# KiCad board 4-ch-backplane.kicad_pcb (continued)
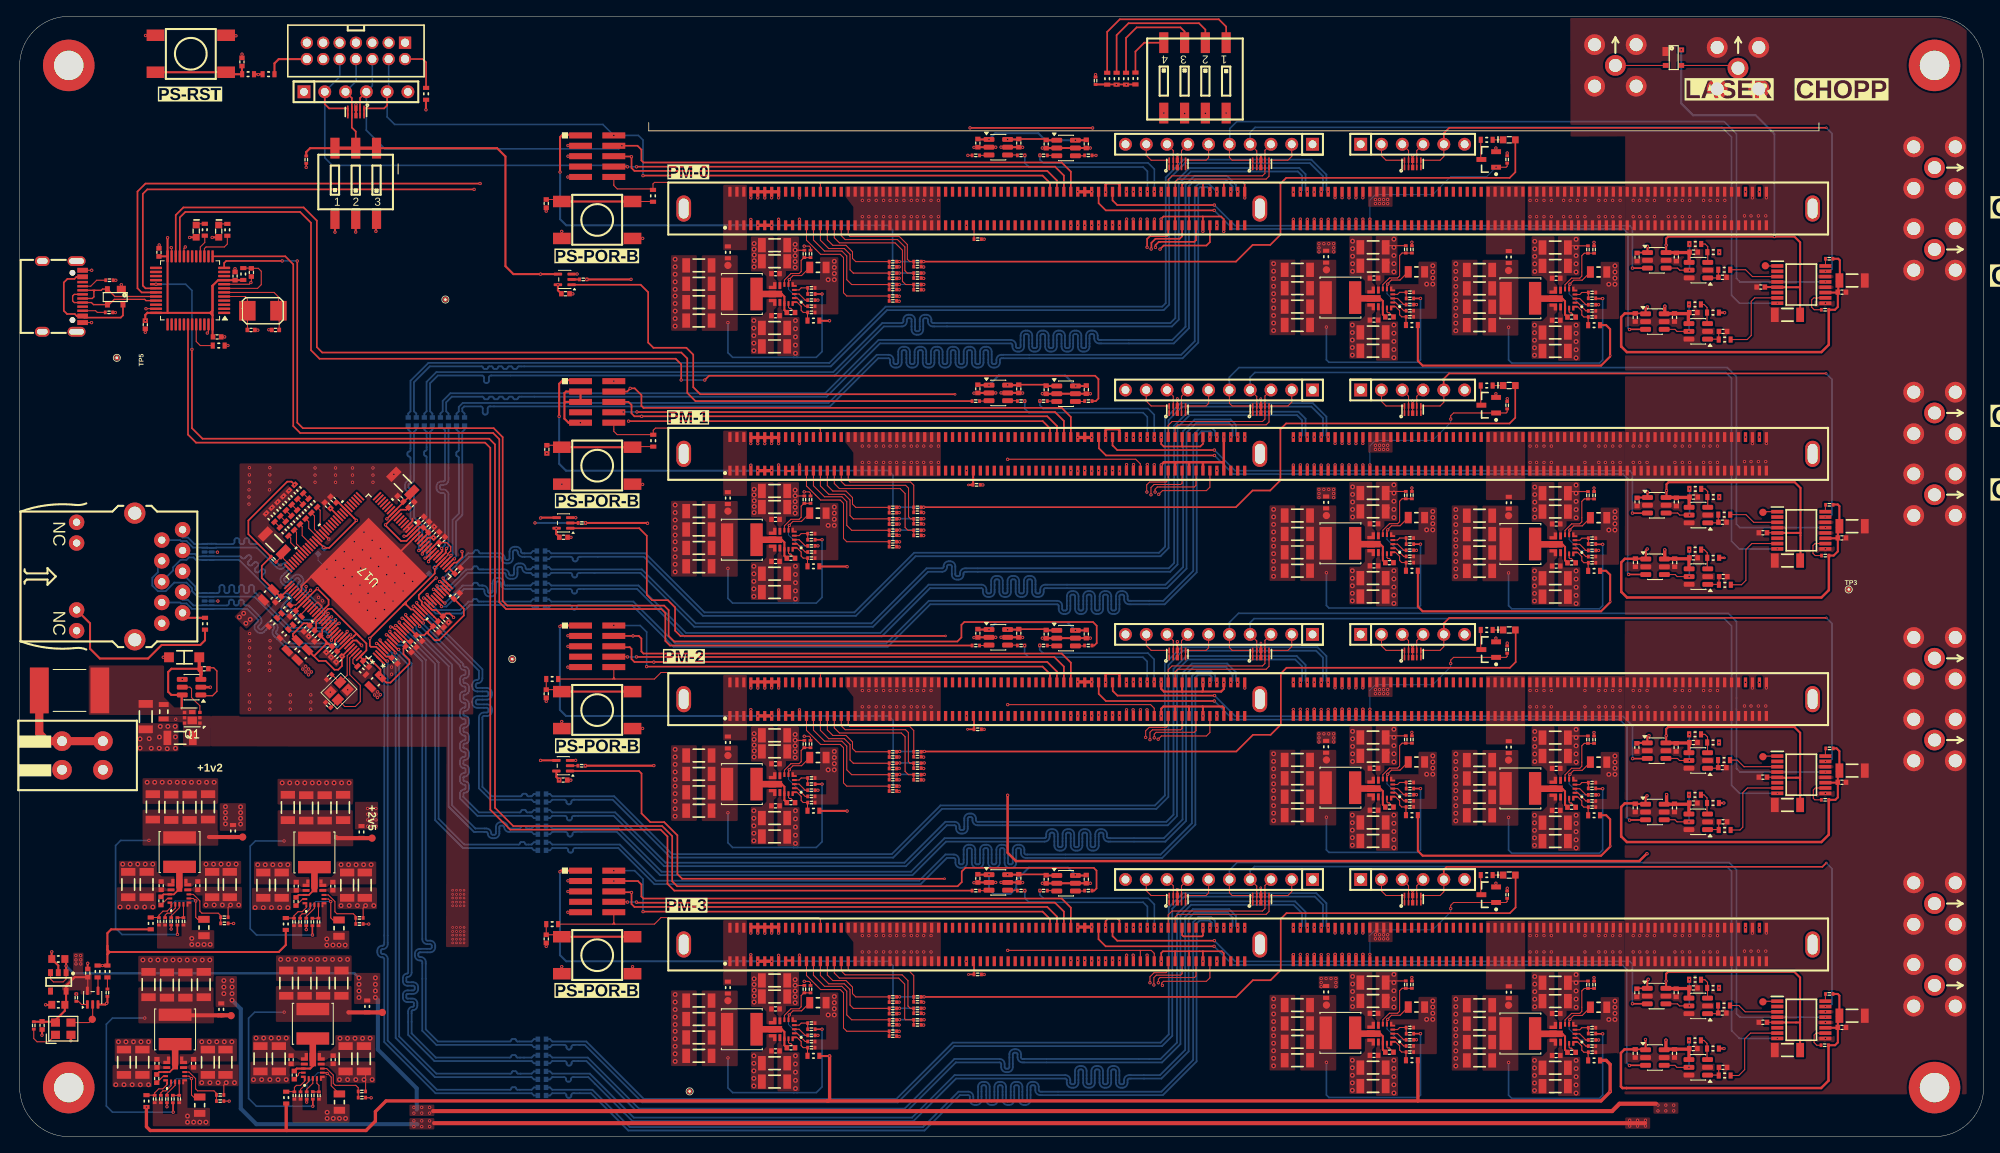
[diagram p0: board, top side]
## Routing (per net, layer and track width the routed paths; a pad name or vN(x,y) marks a point on that pad's centre or on a via; arc(x,y) is an arc through that point) (continued)
/TOP_LEVEL_IO/NET_SWITCH/E3_TD1_P: length 16.6
  Top Layer w0.22: v1(51.54,64.82) 51.54,64.95 50.75,65.74 U17.26
  Bottom Layer w0.22: v1(51.54,64.82) 52.15,64.82 54.3,66.97 56.6,66.97 arc(56.73,66.92) 56.79,66.79 56.79,66.67 arc(56.97,66.23) 57.4,66.06 57.6,66.06 arc(58.03,66.23) 58.21,66.67 58.21,67.71 arc(58.27,67.84) 58.4,67.89 58.6,67.89 arc(58.73,67.84) 58.79,67.71 58.79,67.59 arc(58.97,67.15) 59.4,66.97 62.45,66.97 62.73,66.69 C199.1
/TOP_LEVEL_IO/NET_SWITCH/E3_TD2_N: length 16.6
  Top Layer w0.22: v1(50.99,67.36) 50.99,67.23 51.6,66.63 U17.29 51.61,66.61
  Bottom Layer w0.22: C202.1 62.73,69.65 62.45,69.37 61.99,69.37 arc(61.88,69.41) 61.84,69.52 arc(61.67,69.93) 61.26,70.1 60.99,70.1 arc(60.58,69.93) 60.41,69.52 60.41,68.79 arc(60.37,68.68) 60.26,68.64 59.95,68.64 arc(59.84,68.68) 59.8,68.79 arc(59.63,69.2) 59.22,69.37 56.18,69.37 arc(56.05,69.42) 55.99,69.55 arc(55.94,69.68) 55.81,69.74 55.58,69.74 arc(55.45,69.68) 55.39,69.55 arc(55.34,69.42) 55.21,69.37 54.59,69.37 52.58,67.36 50.99,67.36 v1(50.99,67.36)
/TOP_LEVEL_IO/NET_SWITCH/E3_TD2_P: length 16.6
  Top Layer w0.22: 51.31,66.31 U17.28 51.3,66.33 50.69,66.93 v1(50.56,66.93)
  Bottom Layer w0.22: C201.1 62.73,68.66 62.45,68.94 61.99,68.94 arc(61.58,69.11) 61.41,69.52 arc(61.37,69.63) 61.26,69.67 60.99,69.67 arc(60.88,69.63) 60.84,69.52 60.84,68.79 arc(60.67,68.38) 60.26,68.21 59.95,68.21 arc(59.55,68.38) 59.38,68.79 arc(59.33,68.9) 59.22,68.94 54.77,68.94 52.76,66.93 v1(50.56,66.93)
/TOP_LEVEL_IO/NET_SWITCH/E3_TD3_N: length 16.6
  Top Layer w0.22: 52.46,67.46 U17.32 52.45,67.47 51.75,68.17 v1(51.75,68.3)
  Bottom Layer w0.22: C204.1 62.73,71.61 62.45,71.33 61.47,71.33 arc(61.34,71.39) 61.28,71.52 61.28,71.52 arc(61.11,71.96) 60.67,72.14 60.47,72.14 arc(60.04,71.96) 59.86,71.52 59.86,70.72 arc(59.81,70.59) 59.67,70.53 59.47,70.53 arc(59.34,70.59) 59.28,70.72 59.28,70.72 arc(59.11,71.15) 58.67,71.33 56.3,71.33 arc(56.17,71.39) 56.11,71.52 arc(56.06,71.65) 55.93,71.71 55.7,71.71 arc(55.57,71.65) 55.51,71.52 arc(55.46,71.39) 55.33,71.33 54.78,71.33 v1(51.75,68.3) 51.75,68.3 51.75,68.32
/TOP_LEVEL_IO/NET_SWITCH/E3_TD3_P: length 17.2
  Top Layer w0.22: v1(51.32,67.87) 51.45,67.87 52.15,67.17 U17.31 52.16,67.16
  Bottom Layer w0.22: 51.92,67.89 51.91,67.89 51.9,67.87 v1(51.32,67.87) 51.92,67.87 54.95,70.91 58.67,70.91 arc(58.81,70.86) 58.86,70.72 58.86,70.72 arc(59.04,70.29) 59.47,70.11 59.67,70.11 arc(60.11,70.29) 60.28,70.72 60.28,71.52 arc(60.34,71.66) 60.47,71.71 60.67,71.71 arc(60.81,71.66) 60.86,71.52 60.86,71.52 arc(61.04,71.09) 61.47,70.91 62.45,70.91 62.73,70.63 C203.1
/TOP_LEVEL_IO/NET_SWITCH/E4_TD0_N: length 18.1
  Top Layer w0.22: U17.35 51.88,70.12 52.71,70.96 v1(52.71,71.08)
  Bottom Layer w0.22: C206.2 53.39,86.46 53.67,86.18 53.67,83.94 arc(53.62,83.83) 53.51,83.79 arc(53.4,83.74) 53.36,83.63 53.36,83.34 arc(53.4,83.23) 53.51,83.19 arc(53.62,83.14) 53.67,83.03 53.67,76.19 52.91,75.44 52.91,71.16 52.84,71.08 v1(52.71,71.08) 52.72,71.09
/TOP_LEVEL_IO/NET_SWITCH/E4_TD0_P: length 18.1
  Top Layer w0.22: U17.34 52.18,69.83 53.01,70.66 v1(53.14,70.66)
  Bottom Layer w0.22: C205.2 54.37,86.46 54.09,86.18 54.09,76.01 53.34,75.26 53.34,70.98 53.14,70.78 v1(53.14,70.66)
/TOP_LEVEL_IO/NET_SWITCH/E4_TD1_N: length 18.1
  Top Layer w0.22: U17.38 51.03,70.97 51.65,71.59 51.65,71.85 v1(51.56,71.94)
  Bottom Layer w0.22: C208.2 51.98,86.38 51.98,80.32 arc(51.92,80.19) 51.79,80.13 51.55,80.13 arc(51.12,79.95) 50.94,79.52 50.94,79.32 arc(51.12,78.89) 51.55,78.71 51.79,78.71 arc(51.92,78.65) 51.98,78.52 51.98,72.36 v1(51.56,71.94)
/TOP_LEVEL_IO/NET_SWITCH/E4_TD1_P: length 18.1
  Top Layer w0.22: U17.37 51.33,70.67 52.07,71.42 52.07,71.85 v1(52.16,71.94)
  Bottom Layer w0.22: v1(52.16,71.94) 52.16,71.94 52.4,72.18 52.4,78.52 arc(52.22,78.95) 51.79,79.13 51.55,79.13 arc(51.42,79.19) 51.37,79.32 51.37,79.52 arc(51.42,79.65) 51.55,79.71 51.79,79.71 arc(52.22,79.89) 52.4,80.32 C207.2
/TOP_LEVEL_IO/NET_SWITCH/E4_TD2_N: length 18.1
  Top Layer w0.22: U17.40 50.45,71.52 49.67,70.74 v1(49.54,70.74)
  Bottom Layer w0.22: C210.2 49.45,86.46 49.73,86.18 49.73,84.01 arc(49.69,83.9) 49.58,83.86 arc(49.47,83.81) 49.42,83.71 49.42,83.41 arc(49.47,83.3) 49.58,83.26 arc(49.69,83.21) 49.73,83.11 49.73,70.8 49.67,70.74 v1(49.54,70.74)
/TOP_LEVEL_IO/NET_SWITCH/E4_TD2_P: length 18.1
  Top Layer w0.22: v1(49.97,70.32) 49.97,70.44 50.75,71.22 U17.39
  Bottom Layer w0.22: C209.2 50.43,86.46 50.15,86.18 50.15,70.63 49.97,70.44 v1(49.97,70.32)
/TOP_LEVEL_IO/NET_SWITCH/E4_TD3_N: length 18.1
  Top Layer w0.22: v1(48.78,71.68) 48.91,71.68 49.6,72.37 U17.43
  Bottom Layer w0.22: v1(48.78,71.68) 48.78,71.68 48.78,74.54 47.76,75.56 47.76,78.72 arc(47.73,78.8) 47.64,78.84 arc(47.26,79) 47.1,79.38 47.1,79.72 arc(47.26,80.1) 47.64,80.26 arc(47.73,80.3) 47.76,80.38 47.76,82.99 arc(47.71,83.12) 47.58,83.18 arc(47.45,83.23) 47.39,83.36 47.39,83.59 arc(47.45,83.72) 47.58,83.78 arc(47.71,83.83) 47.76,83.96 47.76,86.18 47.48,86.46 C212.2
/TOP_LEVEL_IO/NET_SWITCH/E4_TD3_P: length 18.1
  Top Layer w0.22: v1(49.21,71.25) 49.21,71.38 49.9,72.07 U17.42
  Bottom Layer w0.22: v1(49.21,71.25) 49.21,74.72 48.19,75.74 48.19,78.72 arc(48.03,79.1) 47.64,79.26 arc(47.56,79.3) 47.52,79.38 47.52,79.72 arc(47.56,79.8) 47.64,79.84 arc(48.03,80) 48.19,80.38 48.19,86.18 48.47,86.46 C211.2
/TOP_LEVEL_IO/NET_SWITCH/ETH1_LED_1: length 1.5
  Top Layer w0.12: U17.106 35.37,64.85 34.34,63.81
/TOP_LEVEL_IO/NET_SWITCH/ETH2_LED_0: length 3.2
  Top Layer w0.12: U17.89 33.82,72.5 33.82,73.9 R144.2
/TOP_LEVEL_IO/NET_SWITCH/ETH2_LED_1: length 2.9
  Top Layer w0.12: U17.90 33.12,72.64 33.12,73.2 R146.2
/TOP_LEVEL_IO/NET_SWITCH/ETH3_LED_1: length 3.1
  Top Layer w0.12: U17.86 34.53,73.5 34.53,74.6 R142.2
/TOP_LEVEL_IO/NET_SWITCH/ETH4_LED_0: length 3.3
  Top Layer w0.12: U17.82 36.03,74.26 36.03,75.9 R145.2
/TOP_LEVEL_IO/NET_SWITCH/ETH4_LED_1: length 3
  Top Layer w0.12: R143.2 35.32,75.2 35.32,74.4 U17.83
/TOP_LEVEL_IO/NET_SWITCH/RXD0: length 3.3
  Top Layer w0.12: U17.80 36.72,74.69 36.72,76.6 R149.1
/TOP_LEVEL_IO/PM0_DET: length 1.7
  Top Layer w0.12: J7.36 116.62,111.37 R28.2
/TOP_LEVEL_IO/PM1_DET: length 73
  Top Layer w0.12: 115.95,79.7 v3(115.94,79.69) ; 116.62,81.32 116.55,81.4
  Top Layer w0.2: 67.47,104.18 75.89,104.18 76.81,103.26 76.81,97.11 77.44,96.47 81.47,96.47 82.31,95.63 82.31,91.65 83.18,90.79 114.31,90.79 v3(114.31,90.78)
  Top Layer w0.25: 116.62,81.32 116.51,81.21 116.51,79.7 115.95,79.7
  In1.Cu w0.25: v3(114.31,90.78) 114.31,80.41 115.03,79.69 v3(115.94,79.69)
/TOP_LEVEL_IO/PM2_DET: length 73.3
  Top Layer w0.12: 116.62,51.44 116.55,51.51 ; 115.83,49.81 v3(115.82,49.81)
  Top Layer w0.2: 116.62,51.44 R64.2 115.83,49.81 ; U40.1 75.72,74.4 76.63,73.48 76.63,66.25 77.28,65.6 79.22,65.6 80.09,64.72 80.09,61.88 80.75,61.23 v3(113.13,61.23)
  In1.Cu w0.25: v3(113.13,61.23) 113.13,50.66 113.99,49.81 v3(115.82,49.81)
/TOP_LEVEL_IO/PM3_DET: length 73.3
  Top Layer w0.12: 115.95,19.84 v3(115.94,19.83) ; 116.62,21.46 116.55,21.54
  Top Layer w0.2: 67.26,44.71 75.69,44.71 76,44.4 76,39.53 77.06,38.46 78.76,38.46 80.38,36.85 80.38,32.12 80.96,31.54 v3(113.03,31.54) ; 115.95,19.84 R65.2 116.62,21.46
  In1.Cu w0.25: v3(113.03,31.54) 113.06,31.5 113.06,20.82 114.06,19.83 v3(115.94,19.83)
/TOP_LEVEL_IO/PS_RST: length 280.3
  Top Layer w0.12: 28.66,129.95 R45.1
  Top Layer w0.25: R111.1 R45.1
  In1.Cu w0.25: 146.3,111.45 146.3,96.54 147.74,95.09 153.11,95.09 154.17,94.03 154.17,90.12 153.15,89.1 153.15,82.24 152.35,81.44 151.68,81.44 151.67,81.45 146.3,81.45 146.3,66.54 147.74,65.09 153.11,65.09 154.17,64.03 154.17,60.12 153.15,59.1 153.15,52.24 152.36,51.45 146.3,51.45 ; v1(146.3,51.45) 146.3,36.54 147.75,35.09 153.12,35.09 154.18,34.03 154.18,30.12 153.15,29.09 153.15,22.23 152.36,21.44 151.69,21.44 151.68,21.45 v1(146.3,21.45) ; 146.31,111.43 152.31,111.43 152.93,112.05 152.93,118.76 154.15,119.99 154.15,128.68 152.96,129.87 v1(131.47,129.87) 29.16,129.87 v1(29.16,129.88)
  vias: v1(146.3,111.45) v1(146.3,81.45)
/TOP_LEVEL_IO/RXD_IN_0: length 126.9
  Top Layer w0.12: R303.1 v1(115.88,120)
  Top Layer w0.2: 56.35,116.53 56.34,116.55 15.38,116.55 14.4,115.57 14.4,103.75 14.91,103.24 U42.31
  In1.Cu w0.25: v1(115.88,120) 80.65,120 79.87,120.78 79.87,123.4 79.25,124.01 57.19,124.01 56.24,123.05 56.24,116.58 v1(56.25,116.56)
/TOP_LEVEL_IO/RXD_IN_1: length 124.1
  Top Layer w0.2: R308.1 82.59,89.95 81.59,90.95 81.59,95.16 80.85,95.89 36.97,95.89 36.31,96.55 36.31,112.02 34.71,113.63 20,113.63 19.07,112.7 U42.22
/TOP_LEVEL_IO/RXD_IN_2: length 137.8
  Top Layer w0.2: U42.13 32.46,107.65 33.44,106.68 33.44,86.9 34.28,86.05 57.85,86.05 58.62,85.29 58.62,65.35 59.44,64.52 78.41,64.52 78.91,64.03 78.91,60.62 79.46,60.06 R312.1
/TOP_LEVEL_IO/RXD_IN_3: length 161.7
  Top Layer w0.2: R316.1 80,30.09 79.16,30.92 79.16,36.71 78.34,37.54 59.96,37.54 57.51,39.98 57.51,84.23 56.88,84.87 21.56,84.87 20.57,85.85 U42.42
/TOP_LEVEL_IO/SPEEDY_PM__INST1/CH1: length 25.3
  In1.Cu w0.276: J20.1 212.2,88.5 210.9,87.2 v1(210.9,85.55)
/TOP_LEVEL_IO/SPEEDY_PM__INST1/CH2: length 30.9
  In1.Cu w0.276: J21.1 227.3,78.5 226.45,79.35 226.45,86.5 225.52,87.42 213.07,87.42 212.6,86.95 v1(212.6,85.55)
/TOP_LEVEL_IO/SPEEDY_PM__INST1/FPGA_T19: length 104.1
  Top Layer w0.12: 159.9,81.4 159.9,82.13 v1(159.9,82.13) ; D8.5 D8.6 173.58,89.35 174.04,89.81 J23.5
  Top Layer w0.2: 174.02,91.31 174.02,92.66 174.68,93.33 v3(220.76,93.33)
  In1.Cu w0.2: 174.04,91.33 174.08,91.29 174.08,89.05 172.45,87.42 155.49,87.42 155.09,87.03 155.09,84.81 155.52,84.38 159.17,84.38 159.9,83.64 159.9,82.16
  Bottom Layer w0.2: v3(220.76,93.33) 221.46,92.63 221.46,76.06 221.18,75.78 v3(220.64,75.78)
/TOP_LEVEL_IO/SPEEDY_PM__INST1/FPGA_T20: length 33.2
  Top Layer w0.12: D8.4 D8.7 170.73,90.54 J23.4 ; v1(159.05,82.12) 159.05,81.4
  In1.Cu w0.2: 171.5,91.33 171.5,88.57 170.8,87.88 155.03,87.88 154.64,87.49 154.64,84.11 154.89,83.86 158.49,83.86 159.05,83.3 159.05,82.15
/TOP_LEVEL_IO/SPEEDY_PM__INST1/FPGA_U17: length 30.3
  Top Layer w0.12: 169.04,90.68 169.04,91.31 ; v1(157.35,82.13) 157.35,82.13 157.35,81.4 ; D8.2 D8.9 169.73,90.54 J23.3
  In1.Cu w0.2: 157.35,82.16 157.35,82.67 156.69,83.33 154.57,83.33 154.22,83.68 154.22,87.84 154.63,88.25 168.18,88.25 168.96,89.03 168.96,91.33
/TOP_LEVEL_IO/SPEEDY_PM__INST1/FPGA_U20: length 22.4
  Top Layer w0.12: R56.2 181.77,88.63 181.65,88.5 Q5.1 175.23,88.5 174.88,88.15 v1(174.88,87.75) ; v1(165,82.15) 165,82.15 165,81.4
  Bottom Layer w0.12: v1(174.88,87.75) 174.88,87.35 172.68,85.15 165.68,85.15 165,84.48 165,82.15 v1(165,82.15)
/TOP_LEVEL_IO/SPEEDY_PM__INST1/FPGA_V18: length 29.3
  Top Layer w0.12: D8.1 D8.10 166.97,89.35 166.42,89.91 J23.2 ; v1(156.5,82.15) 156.5,81.4
  In1.Cu w0.2: 166.42,91.33 166.42,89.45 165.76,88.8 154.5,88.8 153.83,88.12 153.83,83.28 154.3,82.8 156.35,82.8 156.5,82.65 156.5,82.17
/TOP_LEVEL_IO/SPEEDY_PM__INST1/I2C0_SCL: length 116.7
  Top Layer w0.12: D9.1 D9.10 148.17,89.35 147.83,89.69 J17.5 ; 135.28,85.53 135.25,85.5
  In1.Cu w0.2: v1(135.25,85.48) 135.25,86.93 135.83,87.52 147,87.52 147.83,88.35 147.83,91.3
  Bottom Layer w0.2: 147.82,91.31 147.86,91.35 ; J17.5 147.83,92.88 149,94.05 208.69,94.05 209.79,92.95 209.79,74.9 210.21,74.47 220.65,74.47
  vias: v3(220.66,74.47)
/TOP_LEVEL_IO/SPEEDY_PM__INST1/I2C0_SDA: length 109.5
  Top Layer w0.12: D9.2 D9.9 151.18,90.5 J17.4
  In1.Cu w0.2: 150.38,91.3 150.38,87.59 149.7,86.92 136.45,86.92 136.1,86.57 136.1,85.49
  Bottom Layer w0.2: 214.77,71.88 210.14,71.88 209.19,72.82 209.19,92.75 208.49,93.45 150.95,93.45 150.37,92.87 J17.4
  vias: v1(136.1,85.5) v3(214.79,71.88)
/TOP_LEVEL_IO/SPEEDY_PM__INST1/Laser_Chopper_FE/CHOPPER_OUT: length 81.4
  Top Layer w0.2: v1(196.62,68.75) 198.73,68.75 ; 131.89,85.58 131.89,84.17 132.76,83.3 v1(146.01,83.3)
  Bottom Layer w0.2: v1(196.62,68.75) 196.5,68.88 196.5,80.47 195.95,81.03 148.29,81.03 v1(146.01,83.3)
/TOP_LEVEL_IO/SPEEDY_PM__INST1/Laser_Chopper_FE/DAC_CHOPPER: length 10.3
  Top Layer w0.12: U48.7 211.68,72.53 210.95,71.8 210.95,68.03 210.41,67.49 R194.1 ; R194.1 209.18,67.56 ; R194.1 209.23,67.36
/TOP_LEVEL_IO/SPEEDY_PM__INST1/Laser_Chopper_FE/DAC_SYNC: length 6.1
  Top Layer w0.12: R228.1 210.96,76.06 211.9,75.12 U48.3
/TOP_LEVEL_IO/SPEEDY_PM__INST1/Laser_Chopper_FE/LASER_SYNC_OUT: length 72.8
  Top Layer w0.12: 197.05,76.21 v1(197.09,76.25)
  Top Layer w0.2: v1(146,83.96) 134.12,83.96 133.55,84.54 133.55,85.59 ; 198.93,76.25 v1(197.09,76.25)
  Bottom Layer w0.2: v1(146,83.96) 148.52,81.44 196.75,81.44 197.07,81.11 197.07,76.26 v1(197.09,76.25)
/TOP_LEVEL_IO/SPEEDY_PM__INST1/PM__1V8: length 0.9
  Top Layer w0.25: 93.6,81.4 94.45,81.4
/TOP_LEVEL_IO/SPEEDY_PM__INST1/PM__2V4:
  vias: v1(158.77,79.15) v1(158.77,78.65) v1(158.77,78.15) v1(159.38,79.15) v1(159.98,79.15) v1(160.57,79.15) v1(160.57,78.65) v1(160.57,78.15) v1(165.68,84.55) v1(165.68,84.05) v1(166.18,84.55) v1(166.18,84.05) v1(166.68,84.55) v1(166.68,84.05) v1(167.18,84.55) v1(167.18,84.05)
/TOP_LEVEL_IO/SPEEDY_PM__INST1/PM__3V3: length 160.3
  Top Layer w0.2: v1(110.49,76.97) 110.18,76.97 R294.2 ; R262.2 110.18,75.57 v1(110.49,75.57) ; R254.2 110.18,74.17 v1(110.49,74.17) ; R276.2 107.19,74.18 v1(107.54,74.18) ; 110.47,76.97 148.62,76.97 150.67,79.01 152.81,79.01 154.06,80.26 154.06,86.51 154.76,87.22 182.06,87.22 182.76,87.91 182.76,91.86 ; R274.2 107.17,72.74 v1(107.53,72.74)
  Top Layer w0.25: 68.54,92.52 66.38,92.52 65.93,92.06 v1(65.93,88.08)
  Top Layer w0.4: J9.7 J9.5
  Bottom Layer w0.2: 106.72,76.96 106.72,80.9 106.17,81.45 v1(91.9,81.45) ; 106.72,76.96 106.73,76.97 v1(107.49,76.97) v1(110.49,76.97) ; 106.72,76.96 106.72,75.58 ; 106.72,75.58 106.73,75.57 v1(107.49,75.57) v1(110.49,75.57) ; 106.72,75.58 106.72,74.18 ; v1(107.53,72.74) 106.98,72.74 106.72,73 106.72,74.18 ; 106.72,74.18 106.72,74.18 v1(107.54,74.18) 107.56,74.17 v1(110.49,74.17)
  Bottom Layer w0.25: v1(65.93,88.08) 65.93,82.29 66.77,81.44 v1(90.19,81.44)
/TOP_LEVEL_IO/SPEEDY_PM__INST1/PS_POR_B: length 28.3
  Top Layer w0.12: 97.85,85.5 97.85,86.48 97.68,86.65 77.69,86.65 77.43,86.38 77.43,85.84 ; J15.10 72.61,86.26 73.01,85.85 77.57,85.85
/TOP_LEVEL_IO/SPEEDY_PM__INST1/PWR/TPS543620_BUCK_2V4/FB: length 2.5
  Top Layer w0.12: U23.4 168.39,72.95 168.64,73.21 R72.2 169.44,72.46
/TOP_LEVEL_IO/SPEEDY_PM__INST1/PWR/TPS543620_BUCK_2V4/L+: length 5.8
  Top Layer w0.25: C164.1 166.59,70.49 U23.13 166.59,72.13 166.26,72.46 U23.10
  Top Layer w0.8: U23.10 162.94,72.46
/TOP_LEVEL_IO/SPEEDY_PM__INST1/PWR/TPS543620_BUCK_2V4/L-: length 24.1
  Top Layer w0.2: 170.34,72.46 v1(171.19,72.46)
  Bottom Layer w0.2: v1(159.69,68.96) 159.69,64.96 159.99,64.65 170.88,64.65 171.19,64.96 v1(171.19,72.46)
/TOP_LEVEL_IO/SPEEDY_PM__INST1/PWR/TPS543620_BUCK_2V4/MODE: length 2.1
  Top Layer w0.12: U23.2 168.14,71.96 169.14,70.96 R113.2
/TOP_LEVEL_IO/SPEEDY_PM__INST1/PWR/TPS543620_BUCK_5V0_CONN/FB: length 2.5
  Top Layer w0.12: U25.4 95.25,73.5 95.5,73.75 R79.2 R84.1
/TOP_LEVEL_IO/SPEEDY_PM__INST1/PWR/TPS543620_BUCK_5V0_CONN/L+: length 5.8
  Top Layer w0.25: U25.10 93.13,73 93.45,72.67 U25.13 93.45,71.03 C166.1
  Top Layer w0.8: U25.10 89.8,73
/TOP_LEVEL_IO/SPEEDY_PM__INST1/PWR/TPS543620_BUCK_5V0_CONN/L-: length 23.6
  Top Layer w0.2: R84.2 v1(98.05,73)
  Bottom Layer w0.2: v1(98.05,73) 98.05,65.95 97.35,65.25 95.01,65.25 95.01,65.25 94.59,65.25 94.59,65.25 87.12,65.25 86.55,65.82 v1(86.55,69.5)
/TOP_LEVEL_IO/SPEEDY_PM__INST1/PWR/TPS543620_BUCK_5V0_CONN/MODE: length 2.1
  Top Layer w0.12: R122.2 96,71.5 95,72.5 U25.2
/TOP_LEVEL_IO/SPEEDY_PM__INST1/PWR/TPS543620_BUCK_5V0_PGA/FB: length 2.5
  Top Layer w0.12: 191.7,72.44 R74.2 190.9,73.19 190.65,72.93 U24.4
/TOP_LEVEL_IO/SPEEDY_PM__INST1/PWR/TPS543620_BUCK_5V0_PGA/L+: length 5.8
  Top Layer w0.25: C165.1 188.85,70.47 U24.13 188.85,72.11 188.52,72.44 U24.10
  Top Layer w0.8: U24.10 185.2,72.44
/TOP_LEVEL_IO/SPEEDY_PM__INST1/PWR/TPS543620_BUCK_5V0_PGA/L-: length 24.2
  Top Layer w0.2: 192.6,72.44 v1(193.45,72.44)
  Bottom Layer w0.2: v1(181.95,68.94) 181.95,64.94 182.33,64.55 193.06,64.55 193.45,64.94 v1(193.45,72.44)
/TOP_LEVEL_IO/SPEEDY_PM__INST1/PWR/TPS543620_BUCK_5V0_PGA/MODE: length 2.1
  Top Layer w0.12: U24.2 190.4,71.94 191.4,70.94 R114.2
/TOP_LEVEL_IO/SPEEDY_PM__INST1/SPI_CS/MIO1: length 13.7
  Top Layer w0.12: R279.1 R278.1 101.88,75.55 101.88,75.55 101.47,75.95 101.47,77.85 100.78,78.55 98.88,78.55 97.85,79.58 97.85,81.4
/TOP_LEVEL_IO/SPEEDY_PM__INST1/SPI_DQ0/BOOT_MODE[3]/MIO2: length 11.6
  Top Layer w0.12: 98.7,81.4 98.7,79.63 99.38,78.95 100.97,78.95 101.78,78.15 101.78,77.35 102.17,76.95 R245.1 R249.1
/TOP_LEVEL_IO/SPEEDY_PM__INST1/SPI_DQ1/BOOT_MODE[1]/MIO3: length 15.6
  Top Layer w0.12: R277.1 R276.1 101.67,74.15 101.07,74.75 101.07,77.65 100.47,78.25 98.35,78.25 97,79.6 97,81.4
/TOP_LEVEL_IO/SPEEDY_PM__INST1/SPI_DQ2/BOOT_MODE[2]/MIO4: length 18
  Top Layer w0.12: R275.1 R274.1 101.07,72.75 100.68,73.15 100.68,77.45 100.28,77.85 97.88,77.85 97.28,78.45 96.15,79.57 ; 96.15,79.65 96.15,79.58 96.15,79.57 ; 96.15,79.65 96.15,81.4 ; 96.15,79.65 96.15,79.57
/TOP_LEVEL_IO/SPEEDY_PM__INST1/SPI_DQ3/BOOT_MODE[0]/MIO5: length 14.7
  Top Layer w0.12: 100.4,81.4 100.4,80.13 100.88,79.65 108.28,79.65 108.62,79.3 108.62,75.8 108.87,75.55 R262.1 R263.1
/TOP_LEVEL_IO/SPEEDY_PM__INST1/SPI_SCK/BOOT_MODE[4]/MIO6: length 16.7
  Top Layer w0.12: 99.55,81.4 99.55,79.88 100.18,79.25 107.6,79.25 108.2,78.65 108.2,74.5 108.55,74.15 R254.1 R255.1
/TOP_LEVEL_IO/SPEEDY_PM__INST1/SPI_SCLK_FB/VMODE[1]/MIO8: length 12.7
  Top Layer w0.12: R295.1 R294.1 109.26,79.67 108.88,80.05 101.47,80.05 101.25,80.28 101.25,81.4
/TOP_LEVEL_IO/SPEEDY_PM__INST1/TRIGGER_IN_0: length 20.8
  Top Layer w0.12: D12.1 D12.10 138.27,89.35 137.67,89.95 J17.9
  In1.Cu w0.2: 137.68,91.3 137.68,90.76 136.7,89.79 134.92,89.79 132.23,87.1 132.23,83.24 131.78,82.79 129.83,82.79 129.3,82.27 v1(129.3,81.39)
/TOP_LEVEL_IO/SPEEDY_PM__INST1/TRIGGER_IN_1: length 20
  Top Layer w0.12: J17.8 140.98,90.54 D12.9 D12.2
  In1.Cu w0.2: v1(131,81.39) 131,82.04 131.3,82.34 132.43,82.34 133.2,83.12 133.2,87.37 135.05,89.22 139.3,89.22 140.21,90.13 140.21,91.3
/TOP_LEVEL_IO/SPEEDY_PM__INST1/TRIGGER_OUT_0: length 21.3
  Top Layer w0.12: J17.7 141.98,90.53 D12.7 D12.4
  In1.Cu w0.2: 142.75,91.3 142.75,89.29 142.2,88.74 135.38,88.74 133.98,87.34 133.98,82.97 132.7,81.69 v1(132.7,81.39)
  Bottom Layer w0.12: 142.77,91.28 J17.7
/TOP_LEVEL_IO/SPEEDY_PM__INST1/TRIGGER_OUT_1: length 25.1
  Top Layer w0.12: J17.6 145.29,89.67 144.98,89.35 D12.6 D12.5 ; 134.41,81.41 134.4,81.4
  In1.Cu w0.2: v1(134.4,81.39) 134.4,87.14 135.48,88.22 144.35,88.22 145.3,89.16 145.3,91.3
/TOP_LEVEL_IO/SPEEDY_PM__INST1/TTC0_IN: length 19.4
  Top Layer w0.12: 141.2,85.5 141.2,86.73 141.52,87.05 152.32,87.05 152.68,87.4 D9.5 D9.6 154.98,89.35 155.45,89.83 J17.2
/TOP_LEVEL_IO/SPEEDY_PM__INST1/TTC0_OUT: length 17.5
  Top Layer w0.12: J17.3 152.18,90.57 D9.7 D9.4 152.18,87.75 151.88,87.45 140.82,87.45 140.35,86.97 140.35,85.5
/TOP_LEVEL_IO/SPEEDY_PM__INST1/UART_LS/RX_OUT: length 17.7
  Bottom Layer w0.2: v1(124.68,89.98) 124.68,89.44 125.07,89.03 137.89,89.03 138.65,88.28 v1(138.65,85.54)
/TOP_LEVEL_IO/SPEEDY_PM__INST1/UART_LS/TX_IN: length 18.8
  Top Layer w0.12: 122.82,89.98 v1(122.82,89.95)
  Bottom Layer w0.2: v1(122.82,89.95) 122.82,89.03 123.32,88.53 137.28,88.53 137.8,88.02 v1(137.8,85.54)
/TOP_LEVEL_IO/SPEEDY_PM__INST2/CH1: length 25.3
  In1.Cu w0.276: J26.1 212.2,58.5 210.9,57.2 v1(210.9,55.55)
/TOP_LEVEL_IO/SPEEDY_PM__INST2/CH2: length 30.9
  In1.Cu w0.276: v1(212.6,55.55) 212.6,56.95 213.07,57.42 225.52,57.42 226.45,56.5 226.45,49.35 227.3,48.5 J27.1
/TOP_LEVEL_IO/SPEEDY_PM__INST2/FPGA_T19: length 104.1
  Top Layer w0.12: v1(159.9,52.24) 159.9,52.24 159.9,51.51 ; J28.5 174.04,59.92 173.58,59.46 D10.6 D10.5
  Top Layer w0.2: v3(220.78,63.44) 174.7,63.44 174.04,62.78 174.04,61.42
  In1.Cu w0.2: 174.04,61.43 174.08,61.39 174.08,59.15 172.45,57.53 155.49,57.53 155.09,57.12 155.09,54.91 155.52,54.48 159.17,54.48 159.9,53.74 159.9,52.26
  Bottom Layer w0.2: v3(220.67,45.89) 221.2,45.89 221.48,46.16 221.48,62.74 v3(220.78,63.44)
/TOP_LEVEL_IO/SPEEDY_PM__INST2/FPGA_T20: length 33.2
  Top Layer w0.12: D10.4 D10.7 170.73,60.65 J28.4 ; v1(159.05,52.24) 159.05,51.51
  In1.Cu w0.2: 159.05,52.25 159.05,53.4 158.49,53.96 154.89,53.96 154.64,54.21 154.64,57.59 155.03,57.97 170.8,57.97 171.5,58.67 171.5,61.43
/TOP_LEVEL_IO/SPEEDY_PM__INST2/FPGA_U17: length 30.3
  Top Layer w0.12: 157.35,51.51 157.35,52.24 v1(157.35,52.25) ; 169.04,60.8 169.04,61.42 ; J28.3 169.73,60.65 D10.9 D10.2
  In1.Cu w0.2: 157.35,52.26 157.35,52.77 156.69,53.43 154.57,53.43 154.22,53.78 154.22,57.94 154.63,58.35 168.18,58.35 168.96,59.13 168.96,61.43
/TOP_LEVEL_IO/SPEEDY_PM__INST2/FPGA_U20: length 22.4
  Top Layer w0.12: R152.2 181.77,58.74 181.65,58.61 Q6.1 175.23,58.61 174.88,58.26 v1(174.88,57.86) ; v1(165,52.26) 165,52.26 165,51.51
  Bottom Layer w0.12: v1(165,52.26) 165,52.26 165,54.59 165.68,55.26 172.68,55.26 174.88,57.46 v1(174.88,57.86)
/TOP_LEVEL_IO/SPEEDY_PM__INST2/FPGA_V18: length 29.3
  Top Layer w0.12: v1(156.5,52.26) 156.5,51.51 ; J28.2 166.42,60.02 166.97,59.46 D10.10 D10.1
  In1.Cu w0.2: 156.5,52.28 156.5,52.75 156.35,52.9 154.3,52.9 153.83,53.38 153.83,58.22 154.5,58.9 165.76,58.9 166.42,59.55 166.42,61.43
/TOP_LEVEL_IO/SPEEDY_PM__INST2/I2C0_SCL: length 116.5
  Top Layer w0.12: J29.5 147.83,59.81 148.17,59.46 D11.10 D11.1 ; 135.28,55.64 135.25,55.61
  In1.Cu w0.2: 135.22,55.6 135.22,57.06 135.8,57.64 146.98,57.64 147.81,58.47 147.81,61.42
  Bottom Layer w0.2: 220.67,44.59 210.23,44.59 209.8,45.02 209.8,52.27 209.8,52.28 209.8,53.63 209.8,53.64 209.8,63 208.8,64 148.95,64 147.83,62.88 J29.5 ; 147.83,61.42 147.88,61.47
  vias: v1(135.25,55.55) v3(220.66,44.59)
/TOP_LEVEL_IO/SPEEDY_PM__INST2/I2C0_SDA: length 109
  Top Layer w0.12: J29.4 151.18,60.62 D11.9 D11.2
  In1.Cu w0.2: 136.08,55.62 136.08,56.69 136.43,57.04 149.68,57.04 150.35,57.71 150.35,61.42
  Bottom Layer w0.2: 214.79,41.99 210.15,41.99 209.2,42.94 209.2,62.45 208.3,63.35 150.85,63.35 150.37,62.87 J29.4
  vias: v1(136.1,55.61) v3(214.79,41.99)
/TOP_LEVEL_IO/SPEEDY_PM__INST2/Laser_Chopper_FE/CHOPPER_OUT: length 81.1
  Top Layer w0.2: 198.7,38.72 196.76,38.72 v1(196.74,38.7) ; 131.86,55.55 131.86,54.15 132.74,53.28 v1(145.99,53.28)
  Bottom Layer w0.2: v1(196.74,38.7) 196.43,39.01 196.43,50.11 195.54,51 148.26,51 v1(145.99,53.28)
/TOP_LEVEL_IO/SPEEDY_PM__INST2/Laser_Chopper_FE/DAC_CHOPPER: length 10.5
  Top Layer w0.12: 209.21,37.38 R225.1 210.23,37.5 210.57,37.85 210.57,42.07 211.14,42.64 U49.7
/TOP_LEVEL_IO/SPEEDY_PM__INST2/Laser_Chopper_FE/DAC_SYNC: length 6.1
  Top Layer w0.12: U49.3 210.74,45.24 210.73,45.22 209.9,46.05 R229.1
/TOP_LEVEL_IO/SPEEDY_PM__INST2/Laser_Chopper_FE/LASER_SYNC_OUT: length 72.3
  Top Layer w0.12: 197.07,46.19 v1(197.11,46.22)
  Top Layer w0.2: v1(146.02,53.94) 134.15,53.94 133.57,54.51 133.57,55.56 ; 198.95,46.22 v1(197.11,46.22)
  Bottom Layer w0.2: v1(197.11,46.22) 197.1,46.24 197.1,50.26 195.94,51.41 148.55,51.41 v1(146.02,53.94)
/TOP_LEVEL_IO/SPEEDY_PM__INST2/PM__1V8: length 0.9
  Top Layer w0.25: 93.6,51.51 94.45,51.51
/TOP_LEVEL_IO/SPEEDY_PM__INST2/PM__2V4:
  vias: v1(158.77,49.26) v1(158.77,48.76) v1(158.77,48.26) v1(159.38,49.26) v1(159.98,49.26) v1(160.57,49.26) v1(160.57,48.76) v1(160.57,48.26) v1(165.68,54.66) v1(165.68,54.16) v1(166.18,54.66) v1(166.18,54.16) v1(166.68,54.66) v1(166.68,54.16) v1(167.18,54.66) v1(167.18,54.16)
/TOP_LEVEL_IO/SPEEDY_PM__INST2/PM__3V3: length 161.1
  Top Layer w0.2: 107.17,42.89 107.48,42.89 107.49,42.88 ; 182.81,61.99 182.81,58.04 182.12,57.34 154.81,57.34 154.12,56.64 154.12,50.39 152.87,49.14 150.71,49.14 148.68,47.1 110.53,47.1 ; v1(107.54,44.3) 107.53,44.29 107.17,44.29 ; 107.17,47.09 107.53,47.09 v1(107.54,47.1) ; v1(110.54,44.3) 110.53,44.29 110.17,44.29 ; v1(107.54,45.7) 107.53,45.69 107.17,45.69 ; v1(110.54,47.1) 110.53,47.09 110.17,47.09 ; 110.17,45.69 110.53,45.69 v1(110.54,45.7)
  Top Layer w0.25: 68.54,62.52 66.15,62.52 v1(66.02,62.39)
  Top Layer w0.4: J11.5 J11.7
  Bottom Layer w0.2: 106.74,45.7 106.74,47.1 ; 106.74,45.7 106.74,44.3 ; 106.74,45.7 v1(107.54,45.7) v1(110.54,45.7) ; 106.74,47.1 106.74,50.9 106.19,51.45 v1(91.91,51.45) ; 106.74,47.1 v1(107.54,47.1) v1(110.54,47.1) ; v1(110.54,44.3) v1(107.54,44.3) 106.74,44.3 ; 106.74,44.3 106.74,43 106.86,42.88 107.49,42.88
  Bottom Layer w0.25: v1(90.19,51.44) 66.77,51.44 66.02,52.19 v1(66.02,62.39)
  vias: v1(107.47,42.86)
/TOP_LEVEL_IO/SPEEDY_PM__INST2/PS_POR_B: length 35.3
  Top Layer w0.12: 97.85,55.61 97.85,56.59 97.68,56.76 78.38,56.76 77.57,55.96 72.74,55.96 ; 72.61,56.16 72.61,56.09 ; 72.61,56.16 72.61,56.03 ; 72.61,56.16 J37.10 ; 72.61,56.09 72.61,56.09 72.74,55.96 ; 72.61,56.09 72.47,55.96 ; 72.47,55.96 72.74,55.96 ; 72.47,55.96 R153.2
/TOP_LEVEL_IO/SPEEDY_PM__INST2/PWR/TPS543620_BUCK_2V4/FB: length 2.5
  Top Layer w0.12: U30.4 168.39,43.07 168.64,43.32 R184.2 169.44,42.57
/TOP_LEVEL_IO/SPEEDY_PM__INST2/PWR/TPS543620_BUCK_2V4/L+: length 5.8